# KiCad board choctopus44.kicad_pcb (continued)
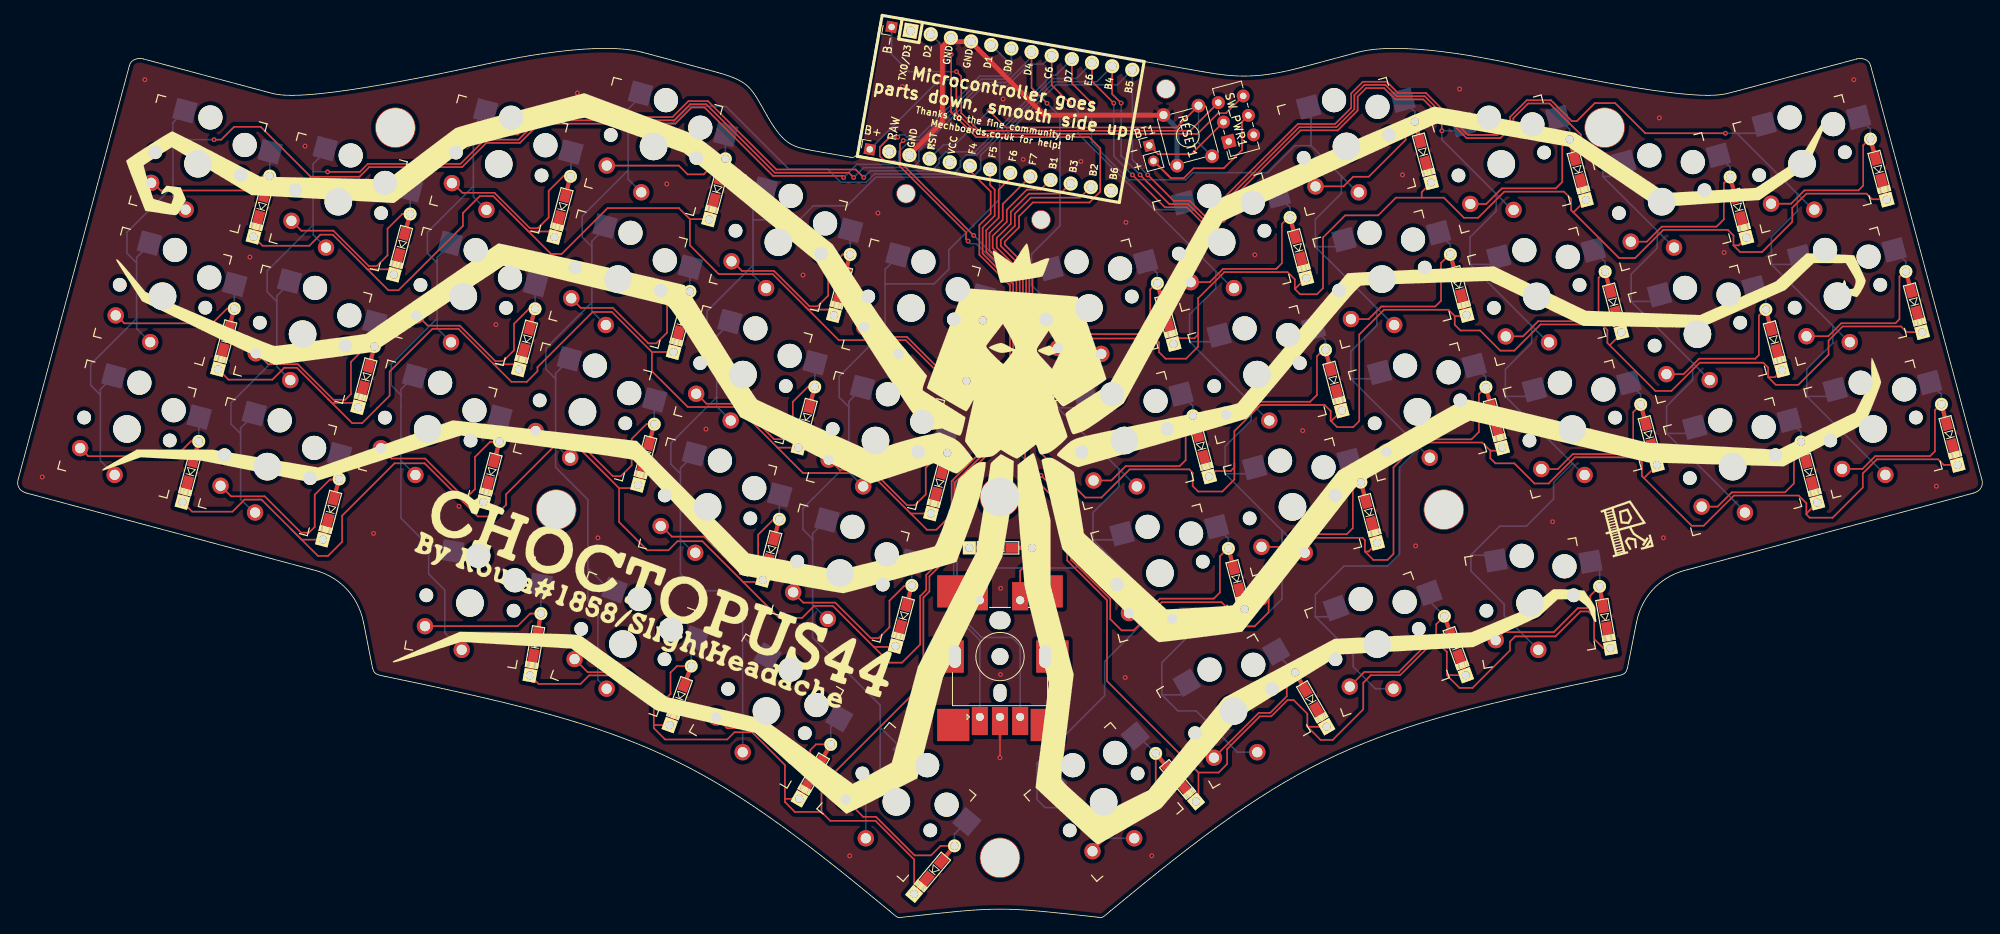
[diagram p0: board, top side]
## Routing (per net, layer and track width the routed paths; a pad name or vN(x,y) marks a point on that pad's centre or on a via; arc(x,y) is an arc through that point) (continued)
col3: length 350.9
  Top w0.2: U1.10 133.54,103.9 v1(136.24,101.2) ; v1(138.56,92.29) 142.59,88.26 145.33,88.26 147.13,86.46 149.89,86.46 150.96,87.53 150.96,89.36 159.41,97.81 164.04,97.81 166.51,100.28 166.51,102.01 167.56,103.06 169.79,103.06 171.19,101.66 174.66,101.66 176.96,99.36 v1(176.96,97.76)
  Bottom w0.2: 71.46,76.46 71.46,75.37 SW10.1 ; 71.46,76.46 71.46,83.36 ; 71.46,76.46 65.76,70.76 65.76,68.16 66.96,66.96 ; 75.96,92.86 70.26,87.16 70.26,84.56 71.46,83.36 ; 75.96,92.86 75.96,91.75 SW4.1 ; 75.96,92.86 75.96,98.71 ; 184.86,64.77 184.86,68.16 188.09,71.39 188.09,73.53 188.06,73.56 ; 184.86,64.77 187.72,64.77 188.47,65.52 ; 184.86,64.77 193.19,56.44 ; 75.96,98.71 81.46,98.71 83.53,100.79 88.13,100.79 95.94,92.99 100.73,92.99 102.36,91.36 105.5,91.36 106.54,92.4 116.3,92.4 117.21,93.31 117.21,94.05 117.92,94.76 119.19,94.76 128.69,104.26 131.58,104.26 U1.10 ; 75.96,98.71 75.96,100.45 77.64,102.12 77.64,102.14 ; 70.96,43.46 70.96,51.96 66.96,55.96 66.96,58.8 ; 70.96,43.46 74.46,39.96 ; 70.96,43.46 70.96,39.36 72.21,38.11 72.21,29.55 SW38.1 ; SW44.1 184.71,37.52 184.71,38.96 180.56,43.11 180.56,45.06 ; 180.46,81.17 180.46,84.56 183.69,87.79 183.69,89.93 183.66,89.96 ; 180.46,81.17 183.32,81.17 184.07,81.92 ; 180.46,81.17 188.06,73.56 ; 180.56,45.06 182.99,45.06 SW44.1 ; 180.56,45.06 184.16,48.66 187.46,48.66 190.84,52.04 190.84,54.09 193.19,56.44 ; 66.96,66.96 66.96,67.65 68.64,69.32 ; 66.96,66.96 66.96,58.8 ; 193.19,56.44 194.7,54.93 ; 73.14,85.72 71.46,84.05 71.46,83.36 ; v1(136.24,101.2) 136.24,94.61 v1(138.56,92.29) ; 188.06,73.56 190.3,71.33 ; 66.96,58.8 68.73,57.03 ; 185.9,87.73 183.66,89.96 ; 183.66,89.96 176.96,96.67 v1(176.96,97.76) 178.86,97.76 SW22.1
col4: length 321
  Top w0.2: v1(139.51,92.29) 143.14,88.66 145.49,88.66 147.29,86.86 149.73,86.86 150.56,87.69 150.56,89.53 159.24,98.21 163.88,98.21 166.11,100.44 166.11,102.21 167.36,103.46 169.96,103.46 171.36,102.06 174.83,102.06 180.03,96.86 184.23,96.86 185.84,98.47 185.84,99.33 187.67,101.16 190.34,101.16 194.21,97.29 194.21,96.23 v1(196.94,93.5) ; v1(137.16,101.21) 136.04,102.33 U1.11
  Bottom w0.2: 214.7,50.33 204.86,60.17 ; 204.86,60.17 207.72,60.17 208.47,60.92 ; 204.86,60.17 204.86,63.56 208.09,66.79 208.09,68.93 208.06,68.96 ; SW11.1 86.96,63.51 86.96,64.66 ; 91.46,86.71 91.46,88.65 93.14,90.32 93.14,90.34 ; 91.46,86.71 91.46,81.06 ; 91.46,86.71 97.21,86.71 98.96,88.46 103.16,88.46 106.7,92 118.71,92 119.71,93 119.71,94.71 128.86,103.86 134.12,103.86 U1.11 ; SW39.1 90.18,34.84 ; 90.18,34.84 90.18,38.84 88.38,40.64 84.53,40.64 82.46,42.71 82.46,47 ; 90.18,34.84 90.18,34.93 90.21,34.96 93.21,31.96 ; 82.46,47 84.23,45.23 ; 82.46,47 82.46,55.16 ; 196.94,92.09 197.78,92.09 SW23.1 ; 196.94,92.09 203.66,85.36 ; 196.94,92.09 v1(196.94,93.5) ; 82.46,55.16 81.26,56.36 81.26,58.96 86.96,64.66 ; 82.46,55.16 82.46,55.85 84.14,57.52 ; 91.46,81.06 91.46,79.85 SW5.1 ; 91.46,81.06 85.76,75.36 85.76,72.76 86.96,71.56 ; 200.46,76.57 203.32,76.57 204.07,77.32 ; 200.46,76.57 200.46,79.96 203.69,83.19 203.69,85.33 203.66,85.36 ; 200.46,76.57 208.06,68.96 ; 86.96,64.66 86.96,71.56 ; 203.66,85.36 205.9,83.13 ; 86.96,71.56 86.96,72.25 88.64,73.92 ; 208.06,68.96 210.3,66.73 ; v1(137.16,101.21) 137.16,94.61 137.19,94.61 v1(139.51,92.29)
col5: length 330.9
  Top w0.2: v1(140.46,92.29) 143.69,89.06 145.66,89.06 147.46,87.26 149.56,87.26 150.16,87.86 150.16,89.69 159.08,98.61 163.71,98.61 165.71,100.61 165.71,102.41 167.16,103.86 170.13,103.86 171.53,102.46 174.99,102.46 180.19,97.26 183.86,97.26 185.44,98.84 185.44,99.5 187.5,101.56 190.51,101.56 193.11,98.96 193.71,98.96 195.96,101.21 198.46,101.21 202.21,97.46 v1(212.16,97.46)
  Bottom w0.2: 98.86,38.9 98.86,47.06 ; 98.86,38.9 98.86,34.81 107.25,26.42 107.25,16.75 105.46,14.96 SW40.1 ; 98.86,38.9 100.63,37.13 ; v1(212.16,97.46) 213.57,97.46 ; 213.57,97.46 215.85,97.46 SW24.1 ; 213.57,97.46 221.09,89.93 ; 221.47,81.92 220.72,81.17 217.86,81.17 ; 217.86,81.17 225.46,73.56 ; 217.86,81.17 217.86,84.56 221.09,87.79 221.09,89.93 ; 107.86,78.76 107.86,80.55 109.54,82.22 109.54,82.24 ; 107.86,78.76 107.86,72.96 ; 107.86,78.76 113.96,78.76 115.76,80.56 115.76,82.96 122.06,89.26 122.06,96.46 129.06,103.46 136.66,103.46 U1.12 138.54,94.2 v1(140.46,92.29) ; 103.36,56.56 97.66,50.86 97.66,48.26 98.86,47.06 ; 103.36,56.56 103.36,63.46 ; 103.36,56.56 103.36,55.38 SW12.1 ; 98.86,47.06 98.86,47.75 100.54,49.42 ; 225.46,73.56 225.49,73.53 225.49,71.39 222.26,68.16 222.26,64.77 ; 225.46,73.56 227.7,71.33 ; 223.3,87.73 221.06,89.96 221.09,89.93 ; 107.25,23.67 110.46,20.46 ; 103.36,63.46 103.36,64.15 105.04,65.82 ; 103.36,63.46 102.16,64.66 102.16,67.26 107.86,72.96 ; 107.86,72.96 107.86,71.74 SW6.1 ; 225.87,65.52 225.12,64.77 222.26,64.77 ; 222.26,64.77 232.1,54.93
Enc1A: length 107
  Top w0.2: v1(109.43,96.98) 108.44,96.98 107.2,95.75 107.2,94.62 107.86,93.96 109.09,93.96 117.9,85.15 117.9,84.32 v1(118.16,84.06)
  Bottom w0.2: U1.5 123.13,106.32 123.13,105.15 122.55,104.56 119.61,104.56 112.07,97.01 110.55,97.01 110.28,97.28 109.73,97.28 v1(109.43,96.98) ; SW45.A 119.62,34.48 116.38,37.73 116.38,54.5 120.38,58.5 120.38,65.44 123.36,68.43 123.36,79.56 119.19,83.74 118.49,83.74 v1(118.16,84.06)
Enc1B: length 105.8
  Top w0.2: v1(110.11,96.56) 109.7,96.15 109.7,93.92 v1(118.86,84.76)
  Bottom w0.2: SW45.B 124.62,33.8 123.59,34.84 119.83,34.84 116.78,37.89 116.78,54.33 120.78,58.33 120.78,65.28 123.76,68.26 123.76,79.86 v1(118.86,84.76) ; U1.6 123.53,104.98 122.71,104.16 119.78,104.16 112.23,96.61 110.16,96.61 v1(110.11,96.56)
reset: length 44.8
  Top w0.2: RESET1.1 144.05,98.17 122.85,98.17 v1(120.76,100.26)
  Bottom w0.2: RESET1.1 146.76,96.29 RESET1.1 ; U1.22 115.13,96.04 116.54,96.04 v1(120.76,100.26)
row0: length 167.1
  Top w0.2: 83.63,86.79 85.94,86.79 ; 83.63,86.79 83.63,83.54 87.21,79.96 93.91,79.96 97.99,75.89 ; 83.63,86.79 82.26,88.16 73.41,88.16 67.71,82.46 66.96,82.46 ; 66.96,82.46 66.41,82.46 63.29,85.59 ; 66.96,82.46 66.46,82.46 ; 97.99,75.89 98.31,75.56 100.8,75.56 D5.1 ; 97.99,75.89 102.11,71.76 106.43,71.76 110.41,71.76 115.41,66.76 ; 63.29,85.59 59.21,89.66 57.56,89.66 55.46,87.56 55.46,85.96 47.46,77.96 46.21,77.96 43.43,80.74 ; 63.29,85.59 63.61,85.26 66.11,85.26 D3.1 ; 117.91,66.76 115.41,66.76 ; D1.1 30.59,83.49 36.39,83.49 37.76,84.86 39.31,84.86 43.43,80.74 ; 115.41,66.76 117.46,64.71 119.46,64.71 122.01,67.26 122.01,68.18 123.36,69.53 123.36,78.56 119.56,82.36 119.56,86.06 120.96,87.46 120.96,90.21 118.38,92.79 U1.20 ; D2.1 46.21,80.56 43.61,80.56 43.43,80.74
row1: length 185.9
  Top w0.2: 38.69,64.49 39.21,63.96 41.92,63.96 D8.1 ; 38.69,64.49 34.84,68.34 33.29,68.34 31.81,66.86 26.35,66.86 D7.1 ; 38.69,64.49 41.71,61.46 42.96,61.46 46.36,64.86 46.36,67.86 51.66,73.16 54.91,73.16 59.18,68.89 ; 81.69,70.29 78.91,70.29 ; 110.94,50.34 113.06,48.21 114.21,48.21 116.12,50.12 116.12,54.25 122.06,60.19 122.06,65.13 122.41,65.48 122.41,68.01 122.66,68.26 122.66,68.26 123.76,69.36 123.76,78.73 119.96,82.53 119.96,85.71 121.46,87.21 121.46,90.46 120.89,91.03 U1.19 ; 110.94,50.34 106.01,55.26 97.66,55.26 94.46,58.46 ; 110.94,50.34 111.04,50.23 D12.1 ; 78.91,70.29 73.93,75.26 71.56,75.26 64.71,68.41 64.71,67.91 63.38,66.59 61.49,66.59 59.18,68.89 ; 78.91,70.29 78.91,67.91 83.36,63.46 89.46,63.46 94.46,58.46 ; 59.18,68.89 59.31,68.76 61.76,68.76 D9.1 ; 94.46,58.46 94.51,58.41 D11.1
row2: length 207.2
  Top w0.2: D15.1 55.55,51.65 55.54,51.64 ; D13.1 21.85,50.46 26.86,50.46 28.36,51.96 30.46,51.96 34.16,48.26 ; 106.46,33.66 101.36,38.76 99.06,38.76 97.56,37.26 94.7,37.26 90.23,41.73 ; 106.46,33.66 108.41,31.71 109.96,31.71 112.21,33.96 112.21,39.96 112.96,40.71 112.96,42.59 116.52,46.15 116.52,54.08 122.46,60.03 122.46,64.96 122.81,65.31 122.81,67.84 124.16,69.19 124.16,79.01 120.41,82.76 120.41,85.41 121.96,86.96 121.96,90.46 123.34,91.84 123.34,92.51 ; 106.46,33.66 109.06,33.66 D18.1 ; 90.23,41.73 92.46,41.73 D17.1 ; 90.23,41.73 85.18,46.78 82.08,46.78 80.96,45.66 78.36,45.66 74.84,49.18 74.84,53.38 ; 55.54,51.64 50.68,56.49 50.66,56.46 46.96,56.46 40.46,49.96 40.46,46.71 38.71,44.96 37.46,44.96 34.16,48.26 ; 55.54,51.64 57.31,49.86 59.36,49.86 60.81,51.31 60.81,52.61 66.91,58.71 69.51,58.71 74.84,53.38 ; 74.84,53.38 76.78,53.38 D16.1 ; 34.16,48.26 35.44,46.98 D14.1
row3: length 191.1
  Top w0.2: 193.29,87.63 194.91,89.25 ; 193.29,87.63 198.96,81.96 200.96,81.96 204.46,85.46 212.46,85.46 213.16,84.76 213.16,83.53 ; 193.29,87.63 193.01,87.91 193.01,89.31 192.11,90.21 184.71,90.21 181.46,86.96 179.71,86.96 177.21,89.46 174.46,89.46 ; 175.7,91.39 174.46,90.15 174.46,89.46 ; 174.46,89.46 171.26,89.46 169.06,87.26 164.96,87.26 162.21,84.51 162.21,78.21 161.46,77.46 159.36,77.46 158.71,78.11 ; 143.74,71.35 144.39,72.01 146.26,72.01 146.71,72.46 146.71,72.71 ; 158.71,78.11 160.18,79.58 ; 158.71,78.11 158.71,79.31 157.81,80.21 149.96,80.21 146.71,76.96 146.71,72.71 ; U1.17 122.46,88.67 122.46,86.71 120.81,85.06 120.81,82.93 124.56,79.18 124.56,69.03 123.21,67.68 v1(123.21,64.71) ; 146.71,72.71 146.71,70.96 145.21,69.46 142.66,69.46 141.86,70.26 141.86,71.46 141.36,71.96 133.46,71.96 v1(127.21,65.71) ; D23.1 213.8,83.53 213.16,83.53 ; 213.16,83.53 213.98,82.71 216.71,82.71 220.46,86.46 220.46,88.21 222.21,89.96 229.66,89.96 230.36,89.26 232.24,89.26
  Bottom w0.2: v1(127.21,65.71) 125.56,64.06 123.86,64.06 v1(123.21,64.71)
row4: length 207.1
  Top w0.2: 178.56,74.76 177.78,75.54 169.79,75.54 166.71,72.46 166.71,61.71 165.96,60.96 163.96,60.96 163.16,61.76 ; 178.56,74.76 178.56,73.67 179.27,72.96 181.71,72.96 184.21,70.46 185.96,70.46 189.21,73.71 196.81,73.71 197.51,73.01 197.51,71.41 197.79,71.13 ; 178.56,74.76 179.92,74.76 D27.1 ; D29.1 218.32,67.16 217.46,67.16 ; 197.79,71.13 203.46,65.46 205.46,65.46 208.96,68.96 216.86,68.96 217.46,68.36 217.46,67.16 ; 197.79,71.13 199.41,72.75 ; 163.16,61.76 163.28,61.76 D26.1 ; 163.16,61.76 163.16,62.96 162.41,63.71 154.46,63.71 151.21,60.46 151.21,56.46 ; 151.21,56.46 151.21,55.96 150.76,55.51 148.89,55.51 148.24,54.85 ; 151.21,56.46 151.21,54.46 149.71,52.96 146.71,52.96 146.03,53.64 146.03,55.29 145.61,55.71 138.21,55.71 134.71,52.21 132.71,52.21 127.21,57.71 v1(127.21,58.96) ; 236.74,72.76 234.66,72.76 233.96,73.46 226.71,73.46 224.96,71.71 224.96,69.96 221.21,66.21 218.41,66.21 217.46,67.16 ; 128.34,91.63 127.17,90.46 125.46,90.46 122.96,87.96 122.96,86.46 121.21,84.71 121.21,83.21 124.96,79.46 124.96,68.83 123.81,67.68 123.81,63.56 v1(123.21,62.96)
  Bottom w0.2: v1(123.21,62.96) v1(127.21,58.96)
row5: length 227.2
  Top w0.2: 130.84,91.19 129.61,89.96 125.71,89.96 123.46,87.71 123.46,86.21 121.71,84.46 121.71,83.28 125.36,79.63 125.36,68.66 124.21,67.51 124.21,62.21 v1(123.21,61.21) ; v1(127.21,54.96) 130.96,51.21 130.96,44.46 135.8,39.62 135.8,37.12 137.21,35.71 138.71,35.71 142.21,39.21 149.61,39.21 150.71,38.11 150.71,37.15 151.65,36.21 153.71,36.21 155.46,37.96 155.46,39.96 ; D32.1 167.86,45.51 167.41,45.51 ; D33.1 184.1,58.04 182.99,58.04 ; 222.21,50.23 222.21,51.51 221.26,52.46 213.21,52.46 209.46,48.71 207.96,48.71 202.04,54.63 ; 222.21,50.23 222.21,50.11 222.61,49.71 225.46,49.71 229.21,53.46 229.21,55.21 230.96,56.96 238.56,56.96 239.26,56.26 D36.1 ; 222.21,50.23 D35.1 ; 167.41,45.51 168.46,44.46 170.21,44.46 170.96,45.21 170.96,55.96 174.04,59.04 181.98,59.04 182.99,58.04 ; 167.41,45.51 167.41,46.91 167.11,47.21 158.71,47.21 155.46,43.96 155.46,39.96 ; 182.99,58.04 182.99,57.09 183.61,56.46 185.96,56.46 188.46,53.96 190.21,53.96 193.46,57.21 199.46,57.21 201.11,57.21 201.78,56.54 201.78,54.89 202.04,54.63 ; D31.1 153.14,39.01 155.01,39.01 155.46,39.46 155.46,39.96 ; 202.04,54.63 D34.1
  Bottom w0.2: v1(127.21,54.96) 123.21,58.96 v1(123.21,61.21)
row6: length 171.4
  Top w0.2: 116.92,47.5 116.92,45.99 113.36,42.43 113.36,40.54 112.61,39.79 112.61,29.11 99.96,16.46 99.96,13.16 ; 116.92,47.5 116.92,47.35 D45.1 ; 116.92,47.5 116.92,53.92 124.71,61.71 124.71,67.41 125.76,68.46 125.76,79.91 122.21,83.46 122.21,84.21 123.96,85.96 123.96,87.46 125.96,89.46 132.05,89.46 133.34,90.75 ; 99.96,13.16 96.66,13.16 95.43,14.39 95.43,14.79 ; 99.96,13.16 101.06,12.06 106.66,12.06 111.45,7.27 D40.1 ; 95.43,14.79 D39.1 ; 95.43,14.79 95.43,18.99 91.36,23.06 89.16,23.06 88.26,22.16 80.56,22.16 79.15,23.57 79.15,23.95 ; 79.15,23.95 79.15,26.77 75.8,30.12 71.12,30.12 70.06,29.06 64.84,29.06 D37.1 ; 79.15,23.95 D38.1
row7: length 214.6
  Top w0.2: v1(116.06,107.26) 116.06,100.09 119.18,96.97 133.2,96.97 134.57,95.6 134.57,90.21 133.22,88.86 126.2,88.86 124.48,87.14 124.48,85.77 122.71,84 122.71,83.62 126.16,80.17 126.16,68.29 125.24,67.38 125.24,55.74 130.46,50.53 130.46,44.39 135.4,39.45 135.4,29.4 146.75,18.05 ; 160.27,23.75 D42.1 ; 160.27,23.75 160.27,25.35 158.56,27.06 157.81,27.06 155.79,25.03 154.37,25.03 150.31,20.97 150.31,19.11 149.25,18.05 146.75,18.05 ; 160.27,23.75 161.91,22.11 163.41,22.11 167.21,25.91 167.21,29.21 168.14,30.14 171.78,30.14 175.59,33.96 176.66,33.96 177.58,33.04 177.58,30.14 ; 177.58,30.14 179.16,28.56 180.76,28.56 185.41,33.21 185.41,34.31 186.06,34.96 191.06,34.96 194.16,38.06 195.16,38.06 195.86,37.36 195.86,34.66 197.02,33.5 D44.1 ; 177.58,30.14 D43.1 ; 146.75,18.05 146.75,14.75 D41.1
  Bottom w0.2: v1(116.06,107.26) 116.02,107.26 U1.2
Net-(BT1-Pad1): length 11.3
  Top w0.2: SW_PWR1.4 145.87,94.86 141.73,94.86 BT1.1
Net-(BT1-Pad2): length 21
  Top w0.2: 143.34,91.89 143.29,91.89 BT1.2 ; 143.34,91.89 144.94,91.89 146.16,93.11 149.9,93.11 152.15,95.36 152.15,98.88 SW_PWR1.2 ; 143.34,91.89 141.19,94.04
Net-(D1-Pad2): length 18.9
  Top w0.2: 16.95,91.35 17.95,90.35 28.85,90.35 30.69,92.19 31.67,92.19
  Bottom w0.2: D1.2 31.48,95.1 SW1.2
Net-(D2-Pad2): length 24.7
  Top w0.2: SW2.2 35.4,85.36 39.38,85.36 43.78,80.96 44.76,80.96 46.1,82.3 46.1,85.6 47.94,87.44 48.92,87.44
  Bottom w0.2: D2.2 48.9,90.38 SW2.2
Net-(D3-Pad2): length 24.7
  Top w0.2: 54.18,91.28 55.4,90.06 59.38,90.06 63.78,85.66 64.76,85.66 66.1,87 66.1,90.3 67.94,92.14 68.92,92.14
  Bottom w0.2: D3.2 68.87,92.16 SW3.2
Net-(D4-Pad2): length 19.1
  Top w0.2: 88.17,94.19 87.19,94.19 85.35,92.35 83.35,92.35 82.25,93.45 SW4.2
  Bottom w0.2: SW4.2 88.03,97.25 D4.2
Net-(D5-Pad2): length 24.7
  Top w0.2: 88.88,81.58 90.1,80.36 94.08,80.36 98.48,75.96 99.46,75.96 100.8,77.3 100.8,80.6 102.64,82.44 103.62,82.44
  Bottom w0.2: SW5.2 103.52,85.35 D5.2
Net-(D6-Pad2): length 25.7
  Top w0.2: 120.17,74.19 119.19,74.19 ; 120.12,74.24 119.14,74.24 117.3,72.4 117.3,69.1 115.96,67.76 114.98,67.76 110.58,72.16 106.6,72.16 105.38,73.38
  Bottom w0.2: SW6.2 119.99,77.18 D6.2
Net-(D7-Pad2): length 18.9
  Top w0.2: 12.45,74.85 13.45,73.85 24.35,73.85 26.19,75.69 27.17,75.69
  Bottom w0.2: SW7.2 27.08,78.64 D7.2
Net-(D8-Pad2): length 25.1
  Top w0.2: 44.42,70.94 43.44,70.94 41.56,69.06 41.56,65.06 40.86,64.36 39.38,64.36 34.96,68.78 31.27,68.78 29.87,70.17
  Bottom w0.2: D8.2 44.47,73.93 SW8.2
Net-(D9-Pad2): length 24.7
  Top w0.2: 49.88,74.78 51.1,73.56 55.08,73.56 59.48,69.16 60.46,69.16 61.8,70.5 61.8,73.8 63.64,75.64 64.62,75.64
  Bottom w0.2: D9.2 64.41,78.62 SW9.2
Net-(D10-Pad2): length 24.7
  Top w0.2: 83.62,77.84 82.64,77.84 80.8,76 80.8,72.7 79.46,71.36 78.48,71.36 74.08,75.76 70.1,75.76 68.88,76.98
  Bottom w0.2: SW10.2 83.63,80.77 D10.2
Net-(D11-Pad2): length 24.7
  Top w0.2: 99.22,65.94 98.24,65.94 96.4,64.1 96.4,60.8 95.06,59.46 94.08,59.46 89.68,63.86 85.7,63.86 84.48,65.08
  Bottom w0.2: D11.2 99.13,68.9 SW11.2
Net-(D12-Pad2): length 24.7
  Top w0.2: 115.72,57.74 114.74,57.74 112.9,55.9 112.9,52.6 111.56,51.26 110.58,51.26 106.18,55.66 102.2,55.66 100.98,56.88
  Bottom w0.2: D12.2 115.58,60.72 SW12.2
Net-(D13-Pad2): length 18.9
  Top w0.2: D13.2 21.69,59.19 19.85,57.35 8.95,57.35 SW13.2
  Bottom w0.2: D13.2 22.67,62.15 SW13.2
Net-(D14-Pad2): length 25.1
  Top w0.2: 39.92,54.44 38.94,54.44 37.06,52.56 37.06,48.56 36.36,47.86 35.36,47.86 30.86,52.36 26.69,52.36 SW14.2
  Bottom w0.2: D14.2 40.1,57.48 SW14.2
Net-(D15-Pad2): length 26
  Top w0.2: 58.84,59.14 59.82,59.14 58.84,59.14 ; 58.84,59.14 56.96,57.26 56.96,53.26 56.26,52.56 55.26,52.56 50.76,57.06 46.59,57.06 45.27,58.37
  Bottom w0.2: D15.2 60,62.14 SW15.2
Net-(D16-Pad2): length 24.7
  Top w0.2: 79.22,61.34 78.24,61.34 76.4,59.5 76.4,56.2 75.06,54.86 74.08,54.86 69.68,59.26 65.7,59.26 64.48,60.48
  Bottom w0.2: SW16.2 79.21,64.28 D16.2
Net-(D17-Pad2): length 24.7
  Top w0.2: 94.92,49.44 93.94,49.44 92.1,47.6 92.1,44.3 90.76,42.96 89.78,42.96 85.38,47.36 81.4,47.36 80.18,48.58
  Bottom w0.2: SW17.2 94.73,52.48 D17.2
Net-(D18-Pad2): length 24.7
  Top w0.2: 111.22,41.24 110.24,41.24 108.4,39.4 108.4,36.1 107.06,34.76 106.08,34.76 101.68,39.16 97.7,39.16 96.48,40.38
  Bottom w0.2: SW18.2 111.17,44.25 D18.2
Net-(D19-Pad2): length 21.8
  Top w0.2: D19.2 141.52,78.82 140.76,78.06 140.76,73.16 140.11,72.51 133.21,72.51 131.49,70.79 SW19.2
  Bottom w0.2: SW19.2 141.65,80.05 D19.2
Net-(D20-Pad2): length 21.9
  Top w0.2: 158.05,87.02 157.92,87.02 157.11,86.21 157.11,81.31 156.56,80.76 ; 156.56,80.76 156.45,80.65 ; 156.56,80.76 156.41,80.61 149.79,80.61 148.15,78.96 SW20.2
  Bottom w0.2: D20.2 158.12,88.22 SW20.2
Net-(D21-Pad2): length 19.6
  Top w0.2: 173.65,98.82 173.52,98.82 172.46,97.76 172.46,96.63 167.89,92.06 165.96,92.06 164.76,90.86 SW21.2
  Bottom w0.2: SW21.2 173.61,100.12 D21.2
Net-(D22-Pad2): length 21.5
  Top w0.2: SW22.2 182.48,88.68 184.41,90.61 191.11,90.61 191.91,91.41 191.91,95.81 192.72,96.62 192.85,96.62
  Bottom w0.2: D22.2 192.83,97.94 SW22.2
Net-(D23-Pad2): length 21.7
  Top w0.2: 212.85,92.02 212.72,92.02 211.96,91.26 211.96,86.76 211.06,85.86 204.26,85.86 202.39,83.99 SW23.2
  Bottom w0.2: SW23.2 212.74,93.25 D23.2
Net-(D24-Pad2): length 22
  Top w0.2: SW24.2 220.31,88.71 221.96,90.36 228.66,90.36 229.26,90.96 229.26,95.96 230.12,96.82 230.25,96.82
  Bottom w0.2: SW24.2 230.16,97.97 D24.2
Net-(D25-Pad2): length 21.8
  Top w0.2: 146.05,62.42 145.92,62.42 145.16,61.66 145.16,56.86 144.41,56.11 137.71,56.11 135.93,54.33 SW25.2
  Bottom w0.2: SW25.2 146.06,63.59 D25.2
Net-(D26-Pad2): length 21.8
  Top w0.2: 162.45,70.62 162.32,70.62 161.46,69.76 161.46,64.96 160.61,64.11 154.11,64.11 152.51,62.51 SW26.2
  Bottom w0.2: D26.2 162.51,71.77 SW26.2
Net-(D27-Pad2): length 21.8
  Top w0.2: 178.05,82.42 177.92,82.42 176.86,81.36 176.86,76.66 176.14,75.94 169.44,75.94 167.88,74.38 SW27.2
  Bottom w0.2: SW27.2 178.02,83.64 D27.2
Net-(D28-Pad2): length 21.8
  Top w0.2: SW28.2 187.03,72.23 188.91,74.11 195.91,74.11 196.41,74.61 196.41,79.51 197.12,80.22 197.25,80.22
  Bottom w0.2: D28.2 197.23,81.49 SW28.2
Net-(D29-Pad2): length 21.9
  Top w0.2: 217.25,75.62 217.12,75.62 216.31,74.81 216.31,69.91 215.86,69.46 208.89,69.46 206.97,67.54 SW29.2
  Bottom w0.2: D29.2 217.17,76.8 SW29.2
Net-(D30-Pad2): length 22.2
  Top w0.2: 234.65,80.42 234.52,80.42 233.76,79.66 233.76,74.36 233.26,73.86 226.54,73.86 224.93,72.25 SW30.2
  Bottom w0.2: SW30.2 234.56,81.51 D30.2
Net-(D31-Pad2): length 21.6
  Top w0.2: 150.45,45.82 150.32,45.82 149.41,44.91 149.41,40.41 148.66,39.66 141.96,39.66 140.16,37.86 SW31.2
  Bottom w0.2: D31.2 150.47,47.12 SW31.2
Net-(D32-Pad2): length 21.7
  Top w0.2: 166.85,54.02 166.72,54.02 165.91,53.21 165.91,48.41 165.16,47.66 158.46,47.66 156.88,46.08 SW32.2
  Bottom w0.2: D32.2 166.91,55.34 SW32.2
Net-(D33-Pad2): length 21.7
  Top w0.2: SW33.2 172.23,57.89 173.78,59.44 180.64,59.44 181.56,60.36 181.56,65.06 182.32,65.82 182.45,65.82
  Bottom w0.2: D33.2 182.43,67.15 SW33.2
Net-(D34-Pad2): length 21.4
  Top w0.2: SW34.2 191.35,55.75 193.21,57.61 199.71,57.61 200.71,58.61 200.71,62.81 201.52,63.62 201.65,63.62
  Bottom w0.2: D34.2 201.64,65.01 SW34.2
Net-(D35-Pad2): length 21.5
  Top w0.2: SW35.2 211.19,51.09 212.96,52.86 219.56,52.86 220.66,53.96 220.66,58.16 221.52,59.02 221.65,59.02
  Bottom w0.2: D35.2 221.54,60.35 SW35.2
Net-(D36-Pad2): length 22
  Top w0.2: 239.05,63.82 238.92,63.82 238.16,63.06 238.16,57.96 237.56,57.36 230.76,57.36 229.16,55.76 SW36.2
  Bottom w0.2: SW36.2 238.97,65.02 D36.2
Net-(D37-Pad2): length 18.6
  Top w0.2: D37.2 63.8,37.8 62.24,36.24 SW37.2
  Bottom w0.2: SW37.2 65.14,41.36 D37.2
Net-(D38-Pad2): length 23.5
  Top w0.2: D38.2 82.03,31.28 81.23,30.48 81.23,27.83 80.56,27.16 79.33,27.16 75.97,30.52 70.95,30.52 SW38.2
  Bottom w0.2: SW38.2 83.79,34.13 D38.2
Net-(D39-Pad2): length 21.7
  Top w0.2: SW39.2 88.24,23.56 91.66,23.56 95.96,19.26 97.86,19.26 98.57,19.97 98.57,20.85 99.27,21.55 D39.2
  Bottom w0.2: D39.2 101.11,23.74 SW39.2
Net-(D40-Pad2): length 20.5
  Top w0.2: SW40.2 105.13,12.56 106.73,12.56 111.53,7.76 113.56,7.76 114.75,8.95 D40.2
  Bottom w0.2: D40.2 116.47,10.42 SW40.2
Net-(D41-Pad2): length 18.8
  Top w0.2: D41.2 141.45,16.13 SW41.2
  Bottom w0.2: D41.2 139.28,22.6 SW41.2
Net-(D42-Pad2): length 19.2
  Top w0.2: SW42.2 154.24,25.47 155.65,25.47 157.71,27.52 157.71,29.45 D42.2
  Bottom w0.2: D42.2 156.39,32.87 SW42.2
Net-(D43-Pad2): length 19.8
  Top w0.2: D43.2 176.26,36.46 176.26,35.19 171.61,30.54 167.34,30.54 SW43.2
  Bottom w0.2: SW43.2 175.42,39.32 D43.2
Net-(D44-Pad2): length 19.9
  Top w0.2: D44.2 195.39,40.03 195.39,38.89 194.98,38.48 193.84,38.48 190.86,35.5 184.65,35.5 SW44.2
  Bottom w0.2: SW44.2 196.54,43.11 D44.2
Net-(D45-Pad2): length 7.1
  Top w0.2: SW45.S1 124.62,43.12 126.11,44.61 D45.2

## Copper pours and planes (outline as drawn; the poured copper is in the pictures)
GND on Top: 13.76,108.06 33.85,102.74 36.92,102.73 40.01,103.04 52.46,106.21 60.53,108.15 70.36,108.76 78.06,108.51 90.76,103.91 96.99,96.26 104.09,94.61 107.26,111.46 107.36,111.76 107.74,111.93 108.22,111.97 153.31,107.04 170.21,108.46 177.16,108.06 182.46,107.56 189.26,106.36 195.46,104.76 203.1,103.21 205.33,103.01 208.66,102.78 210.79,102.83 215.47,103.42 222.96,105.46 231.22,107.7 246.2,52.91 232.13,49.28 217.31,45.43 208.87,43.21 205.76,42.26 204.46,41.36 203.66,40.46 202.96,39.46 202.36,38.16 201.86,36.46 201.56,33.76 201.46,31.46 201.66,29.46 193.76,28.16 185.96,26.56 180.06,25.06 174.46,23.36 169.66,21.56 165.66,19.76 160.66,17.16 154.36,13.16 148.06,8.46 141.76,3.26 136.76,-1.04 127.26,-0.14 122.46,0.06 117.16,-0.14 108.26,-1.04 101.66,4.46 94.86,9.76 89.66,13.46 84.66,16.56 81.16,18.46 76.76,20.56 70.96,22.76 65.06,24.46 57.76,26.16 49.66,27.66 41.86,28.96 42.06,30.76 42.16,32.56 41.86,35.66 41.36,37.46 40.56,39.06 38.96,40.86 37.16,42.06 33.76,42.76 26.06,44.86 17.46,47.36 10.06,49.46 4.16,51.16 -2.78,52.76
GND on Bottom: 13.75,108.05 33.9,102.72 36.84,102.71 40.01,103.02 52.46,106.21 60.67,108.12 69.56,108.66 78.06,108.46 90.76,103.91 96.99,96.26 104.09,94.61 107.26,111.46 107.46,111.86 107.87,111.97 108.36,111.93 153.11,107.06 170.21,108.46 177.56,108.06 181.66,107.66 187.06,106.76 193.16,105.36 203.18,103.27 206.51,102.98 210.03,102.78 215.52,103.44 222.96,105.46 231.26,107.72 246.2,52.91 222.21,46.71 208.76,43.21 206.26,42.46 205.06,41.86 203.96,40.86 203.26,39.96 202.46,38.46 201.86,36.36 201.56,34.36 201.46,31.46 201.66,29.46 190.66,27.56 182.26,25.66 176.26,23.96 171.66,22.36 167.56,20.66 162.86,18.36 158.36,15.76 154.66,13.36 147.66,8.16 141.76,3.26 136.76,-1.04 128.36,-0.24 124.06,0.06 120.66,0.06 116.66,-0.24 108.26,-1.02 105.16,1.56 101.76,4.36 97.66,7.66 92.26,11.66 88.06,14.46 83.86,17.06 79.36,19.36 75.96,20.86 70.96,22.76 64.26,24.66 57.86,26.16 49.86,27.66 41.86,28.96 42.16,32.16 42.06,33.86 41.86,35.76 41.36,37.46 40.56,39.06 38.96,40.86 37.06,42.06 32.56,43.06 25.76,44.96 15.66,47.86 4.16,51.16 -2.77,52.74

## Text on the board
B.Silkscreen: COL 5 | COL 4 | COL 3 | COL 0 | COL 1 | COL 2 | ROW 2-> | ROW 1-> | ROW 0-> | Choctopus44 [Prototype] / Designed by Routa#1858/SlightHeadache 2021 / Based on REVIUNG41 rev1.3 GH by gtips 2021 | <-ROW 6 | <-ROW 5 | ROW 7-> | <-ROW 3 | <-ROW 4 | ROW 0 | ROW 1 | ROW 2 | ROW 3 | ROW 4 | ROW 5 | ROW 6 | B+ | B- | JLCJLCJLCJLC
F.Silkscreen: Thanks to the fine community of / Mechboards.co.uk for help! | - | + | Microcontroller goes / parts down, smooth side up
